# KiCad board SALU.kicad_pcb
title: Single Operand ALU; rev: 1
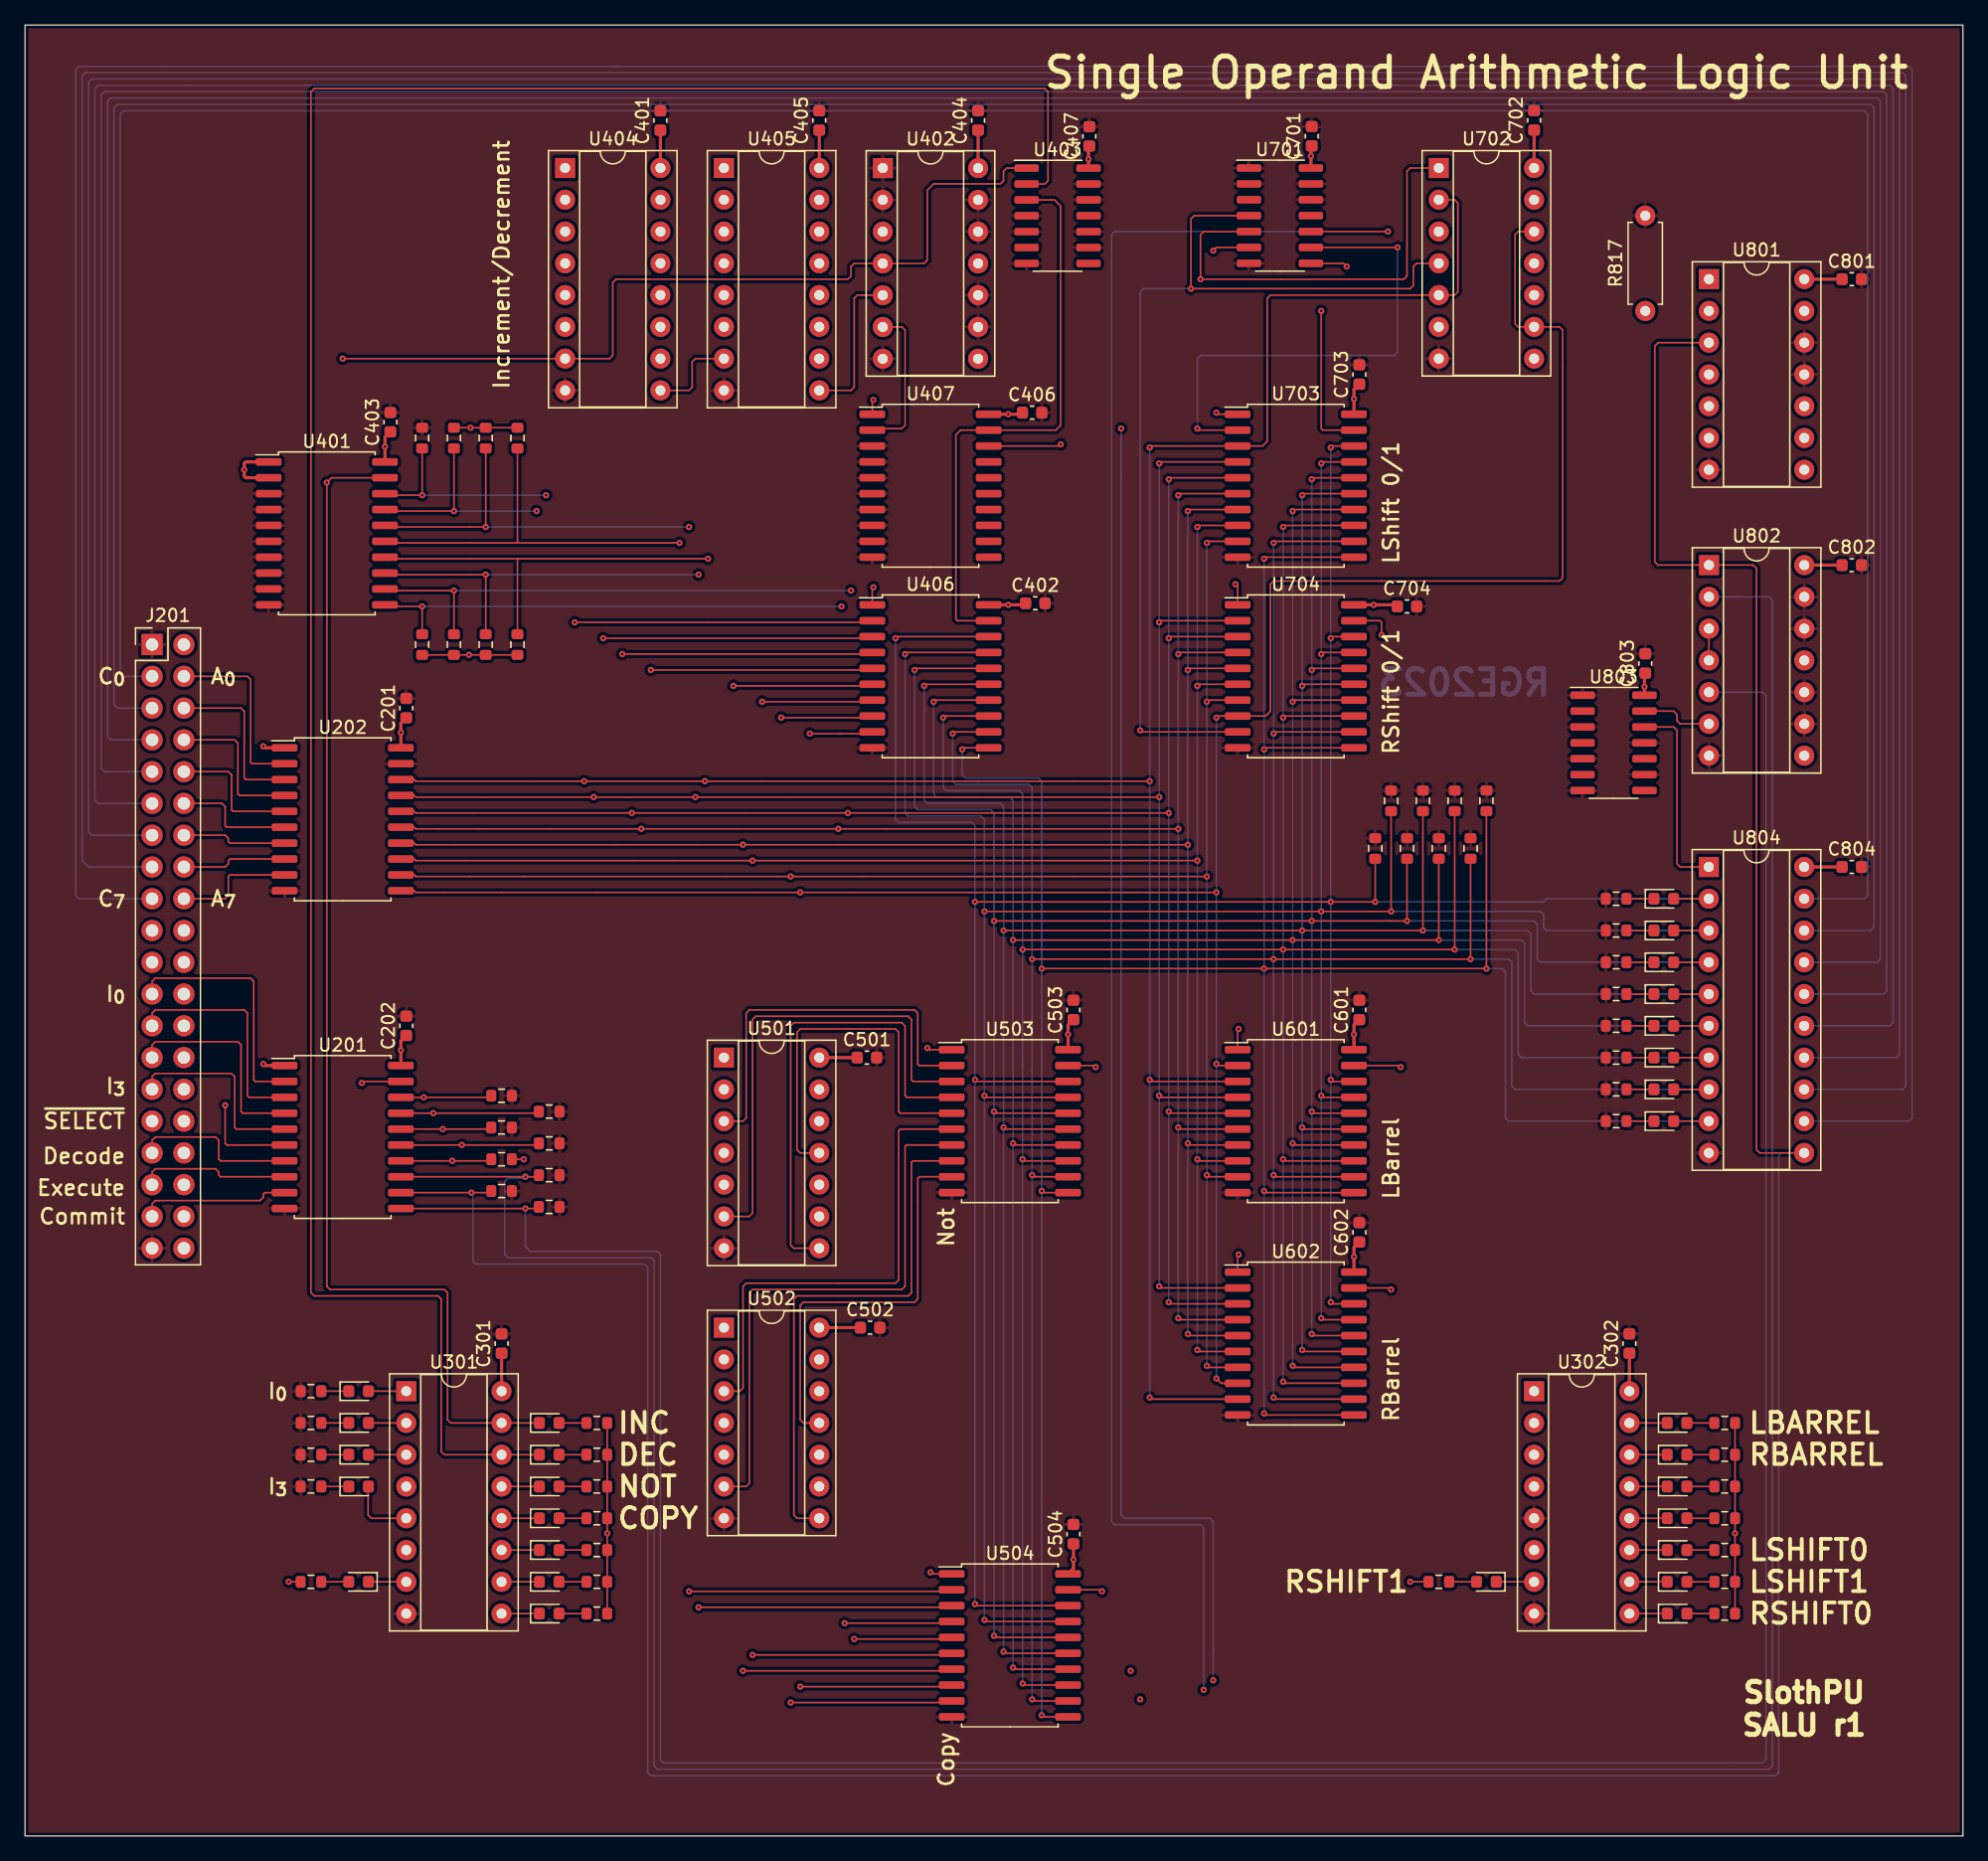
[diagram p0: board, top side]
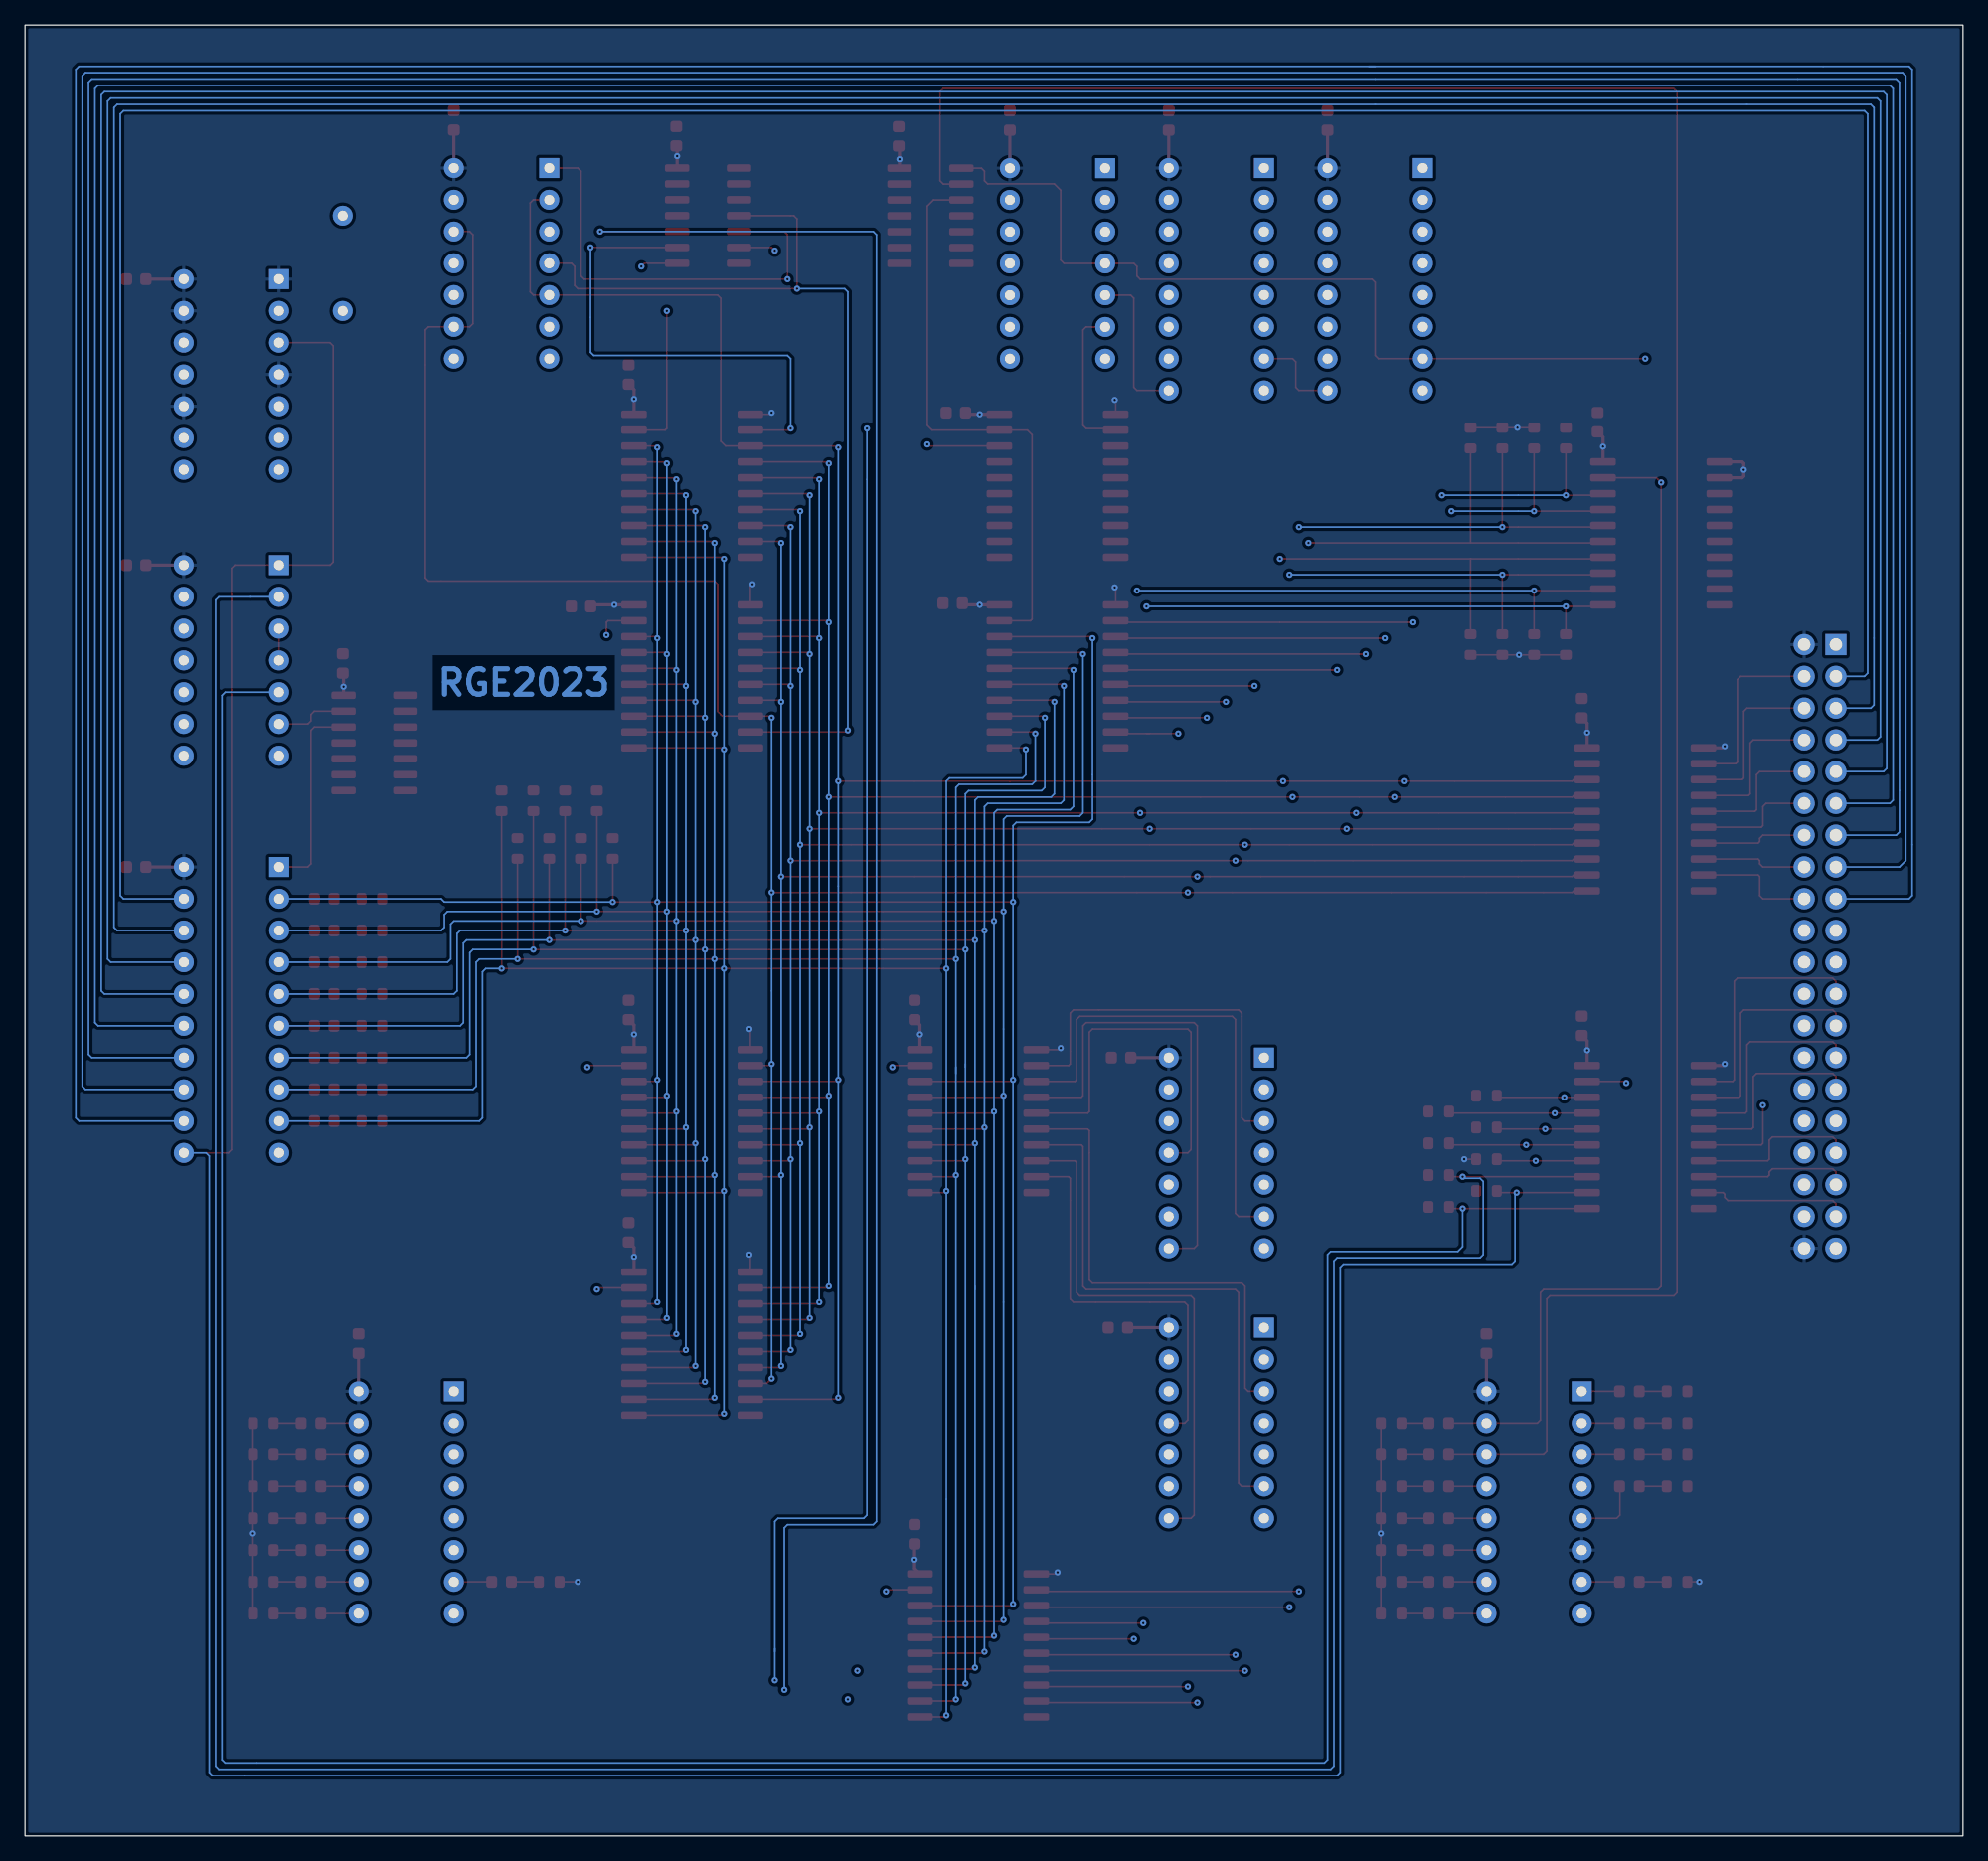
[diagram p1: board, bottom side, seen from below]

Outline 154.94 x 144.78 mm; copper layers: Top, In1.Cu, In2.Cu, Bottom. Coordinates in mm from the lower left corner of the outline.
Outline path: rectangle 0,144.78 154.94,0
Stack: Top 0.035mm / dielectric 1.51mm FR4 er 4.5 / In1.Cu 0.035mm / dielectric 1.51mm FR4 er 4.5 / In2.Cu 0.035mm / dielectric 1.51mm FR4 er 4.5 / Bottom 0.035mm

## Placement (name value [footprint] x y rotation side)
C201  100n  [C_0603_1608Metric]  30.48 90.17 90 top
C202  100n  [C_0603_1608Metric]  30.48 64.77 90 top
C301  100n  [C_0603_1608Metric]  38.1 39.37 90 top
C302  100n  [C_0603_1608Metric]  128.27 39.37 90 top
C401  100n  [C_0603_1608Metric]  50.8 137.15 90 top
C402  100n  [C_0603_1608Metric]  80.77 98.55 0 top
C403  100n  [C_0603_1608Metric]  29.21 113.03 90 top
C404  100n  [C_0603_1608Metric]  76.2 137.15 90 top
C405  100n  [C_0603_1608Metric]  63.5 137.15 90 top
C406  100n  [C_0603_1608Metric]  80.52 113.79 0 top
C407  100n  [C_0603_1608Metric]  85.09 135.88 90 top
C501  100n  [C_0603_1608Metric]  67.31 62.23 0 top
C502  100n  [C_0603_1608Metric]  67.56 40.64 0 top
C503  100n  [C_0603_1608Metric]  83.82 66.04 90 top
C504  100n  [C_0603_1608Metric]  83.82 24.13 90 top
C601  100n  [C_0603_1608Metric]  106.68 66.04 90 top
C602  100n  [C_0603_1608Metric]  106.68 48.26 90 top
C701  100n  [C_0603_1608Metric]  102.87 135.89 90 top
C702  100n  [C_0603_1608Metric]  120.65 137.16 90 top
C703  100n  [C_0603_1608Metric]  106.68 116.84 90 top
C704  100n  [C_0603_1608Metric]  110.49 98.3 0 top
C801  100n  [C_0603_1608Metric]  146.05 124.46 0 top
C802  100n  [C_0603_1608Metric]  146.05 101.6 0 top
C803  100n  [C_0603_1608Metric]  129.54 93.74 90 top
C804  100n  [C_0603_1608Metric]  146.05 77.47 0 top
D301  GREEN  [LED_0603_1608Metric]  26.67 27.94 0 top
D302  GREEN  [LED_0603_1608Metric]  26.67 30.48 0 top
D303  GREEN  [LED_0603_1608Metric]  26.67 33.02 0 top
D304  GREEN  [LED_0603_1608Metric]  26.67 35.56 0 top
D305  RED  [LED_0603_1608Metric]  41.91 17.78 0 top
D306  RED  [LED_0603_1608Metric]  26.67 20.32 180 top
D307  RED  [LED_0603_1608Metric]  41.91 22.86 0 top
D308  RED  [LED_0603_1608Metric]  41.91 20.32 0 top
D309  GREEN  [LED_0603_1608Metric]  41.91 33.02 0 top
D310  GREEN  [LED_0603_1608Metric]  41.91 30.48 0 top
D311  GREEN  [LED_0603_1608Metric]  41.91 27.94 0 top
D312  GREEN  [LED_0603_1608Metric]  41.91 25.4 0 top
D313  GREEN  [LED_0603_1608Metric]  132.08 17.78 0 top
D314  GREEN  [LED_0603_1608Metric]  116.84 20.32 180 top
D315  GREEN  [LED_0603_1608Metric]  132.08 33.02 0 top
D316  GREEN  [LED_0603_1608Metric]  132.08 30.48 0 top
D317  RED  [LED_0603_1608Metric]  132.08 27.94 0 top
D318  RED  [LED_0603_1608Metric]  132.08 25.4 0 top
D319  GREEN  [LED_0603_1608Metric]  132.08 22.86 0 top
D320  GREEN  [LED_0603_1608Metric]  132.08 20.32 0 top
D801  GREEN  [LED_0603_1608Metric]  131.02 74.93 0 top
D802  GREEN  [LED_0603_1608Metric]  131.02 72.39 0 top
D803  GREEN  [LED_0603_1608Metric]  131.02 69.85 0 top
D804  GREEN  [LED_0603_1608Metric]  131.02 67.31 0 top
D805  GREEN  [LED_0603_1608Metric]  131.02 64.77 0 top
D806  GREEN  [LED_0603_1608Metric]  131.02 62.23 0 top
D807  GREEN  [LED_0603_1608Metric]  131.02 59.69 0 top
D808  GREEN  [LED_0603_1608Metric]  131.02 57.15 0 top
J201  Conn_02x20_Odd_Even  [PinHeader_2x20_P2.54mm_Vertical]  10.16 95.25 0 top
R201  220k  [R_0603_1608Metric]  38.1 59.18 0 top
R202  220k  [R_0603_1608Metric]  41.91 57.91 0 top
R203  220k  [R_0603_1608Metric]  38.1 56.64 0 top
R204  220k  [R_0603_1608Metric]  41.91 55.37 0 top
R205  220k  [R_0603_1608Metric]  38.1 54.1 0 top
R206  220k  [R_0603_1608Metric]  41.91 52.83 0 top
R207  220k  [R_0603_1608Metric]  38.1 51.56 0 top
R208  220k  [R_0603_1608Metric]  41.91 50.29 0 top
R301  4k7  [R_0603_1608Metric]  22.86 27.94 0 top
R302  4k7  [R_0603_1608Metric]  22.86 30.48 0 top
R303  4k7  [R_0603_1608Metric]  22.86 33.02 0 top
R304  4k7  [R_0603_1608Metric]  22.86 35.56 0 top
R305  4k7  [R_0603_1608Metric]  45.72 17.78 0 top
R306  4k7  [R_0603_1608Metric]  22.86 20.32 180 top
R307  4k7  [R_0603_1608Metric]  45.72 33.02 0 top
R308  4k7  [R_0603_1608Metric]  45.72 30.48 0 top
R309  4k7  [R_0603_1608Metric]  45.72 27.94 0 top
R310  4k7  [R_0603_1608Metric]  45.72 25.4 0 top
R311  4k7  [R_0603_1608Metric]  45.72 22.86 0 top
R312  4k7  [R_0603_1608Metric]  45.72 20.32 0 top
R313  4k7  [R_0603_1608Metric]  135.89 17.78 0 top
R314  4k7  [R_0603_1608Metric]  113.03 20.32 180 top
R315  4k7  [R_0603_1608Metric]  135.89 33.02 0 top
R316  4k7  [R_0603_1608Metric]  135.89 30.48 0 top
R317  4k7  [R_0603_1608Metric]  135.89 22.86 0 top
R318  4k7  [R_0603_1608Metric]  135.89 20.32 0 top
R319  4k7  [R_0603_1608Metric]  135.89 27.94 0 top
R320  4k7  [R_0603_1608Metric]  135.89 25.4 0 top
R401  220k  [R_0603_1608Metric]  31.75 111.76 270 top
R402  220k  [R_0603_1608Metric]  34.29 111.76 270 top
R403  220k  [R_0603_1608Metric]  36.83 111.76 270 top
R404  220k  [R_0603_1608Metric]  39.37 111.76 270 top
R405  220k  [R_0603_1608Metric]  39.37 95.25 90 top
R406  220k  [R_0603_1608Metric]  36.83 95.25 90 top
R407  220k  [R_0603_1608Metric]  34.29 95.25 90 top
R408  220k  [R_0603_1608Metric]  31.75 95.25 90 top
R801  220k  [R_0603_1608Metric]  107.95 78.95 270 top
R802  220k  [R_0603_1608Metric]  109.22 82.76 270 top
R803  220k  [R_0603_1608Metric]  110.49 78.95 270 top
R804  220k  [R_0603_1608Metric]  111.76 82.76 270 top
R805  220k  [R_0603_1608Metric]  113.03 78.95 270 top
R806  220k  [R_0603_1608Metric]  114.3 82.76 270 top
R807  220k  [R_0603_1608Metric]  115.57 78.95 270 top
R808  220k  [R_0603_1608Metric]  116.84 82.76 270 top
R809  4k7  [R_0603_1608Metric]  127.21 74.93 0 top
R810  4k7  [R_0603_1608Metric]  127.21 72.39 0 top
R811  4k7  [R_0603_1608Metric]  127.21 69.85 0 top
R812  4k7  [R_0603_1608Metric]  127.21 67.31 0 top
R813  4k7  [R_0603_1608Metric]  127.21 64.77 0 top
R814  4k7  [R_0603_1608Metric]  127.21 62.23 0 top
R815  4k7  [R_0603_1608Metric]  127.21 59.69 0 top
R816  4k7  [R_0603_1608Metric]  127.21 57.15 0 top
R817  10k  [R_Axial_DIN0207_L6.3mm_D2.5mm_P7.62mm_Horizontal]  129.54 121.92 90 top
U201  74HC245  [SOIC-20W_7.5x12.8mm_P1.27mm]  25.4 55.88 0 top
U202  74HC245  [SOIC-20W_7.5x12.8mm_P1.27mm]  25.4 81.28 0 top
U301  74HC138  [DIP-16_W7.62mm_Socket]  30.48 35.56 0 top
U302  74HC138  [DIP-16_W7.62mm_Socket]  120.65 35.56 0 top
U401  74HC245  [SOIC-20W_7.5x12.8mm_P1.27mm]  24.13 104.14 0 top
U402  74HC86  [DIP-14_W7.62mm_Socket]  68.58 133.34 0 top
U403  74HC08  [SOIC-14_3.9x8.7mm_P1.27mm]  82.55 129.53 0 top
U404  74HC283  [DIP-16_W7.62mm_Socket]  43.18 133.35 0 top
U405  74HC283  [DIP-16_W7.62mm_Socket]  55.88 133.35 0 top
U406  74HC245  [SOIC-20W_7.5x12.8mm_P1.27mm]  72.39 92.71 0 top
U407  74HC245  [SOIC-20W_7.5x12.8mm_P1.27mm]  72.39 107.95 0 top
U501  74HC00  [DIP-14_W7.62mm_Socket]  55.88 62.23 0 top
U502  74HC00  [DIP-14_W7.62mm_Socket]  55.88 40.64 0 top
U503  74HC245  [SOIC-20W_7.5x12.8mm_P1.27mm]  78.74 57.15 0 top
U504  74HC245  [SOIC-20W_7.5x12.8mm_P1.27mm]  78.74 15.24 0 top
U601  74HC245  [SOIC-20W_7.5x12.8mm_P1.27mm]  101.6 57.15 0 top
U602  74HC245  [SOIC-20W_7.5x12.8mm_P1.27mm]  101.6 39.37 0 top
U701  74HC08  [SOIC-14_3.9x8.7mm_P1.27mm]  100.33 129.54 0 top
U702  74HCT125  [DIP-14_W7.62mm_Socket]  113.03 133.35 0 top
U703  74HC245  [SOIC-20W_7.5x12.8mm_P1.27mm]  101.6 107.95 0 top
U704  74HC245  [SOIC-20W_7.5x12.8mm_P1.27mm]  101.6 92.71 0 top
U801  74HC74  [DIP-14_W7.62mm_Socket]  134.63 124.47 0 top
U802  74HC32  [DIP-14_W7.62mm_Socket]  134.63 101.61 0 top
U803  74HC14  [SOIC-14_3.9x8.7mm_P1.27mm]  127 87.39 0 top
U804  74HCT574  [DIP-20_W7.62mm_Socket]  134.62 77.47 0 top

## Library data of the parts
C201 C202 C301 C302 C401-C407 C501-C504 C601 C602 C701-C704 C801-C804 = -: LCSC: C14663
D301-D304 D309-D316 D319 D320 D801-D808 = -: LCSC: C72043
D305-D308 D317 D318 = -: LCSC: C2286
R201-R208 R401-R408 R801-R808 = -: LCSC: C22961
R301-R320 R809-R816 = -: LCSC: C23162
U201 U202 U401 U406 U407 U503 U504 U601 U602 U703 U704 = -: LCSC: C5625
U403 U701 = -: LCSC: C5593

## Footprints (pads in the part's own frame, mm; a bottom-side part is the same pattern mirrored in y, then rotated)
C_0603_1608Metric
  rrect 0.9x0.95 smd: 1(-0.775,0) 2(0.775,0)
DIP-14_W7.62mm_Socket
  rect 1.6x1.6 hole 0.8: 1(0,0)
  oval 1.6x1.6 hole 0.8: 2(0,-2.54) 3(0,-5.08) 4(0,-7.62) 5(0,-10.16) 6(0,-12.7) 7(0,-15.24) 8(7.62,-15.24) 9(7.62,-12.7) 10(7.62,-10.16) 11(7.62,-7.62) 12(7.62,-5.08) 13(7.62,-2.54) 14(7.62,0)
DIP-16_W7.62mm_Socket
  rect 1.6x1.6 hole 0.8: 1(0,0)
  oval 1.6x1.6 hole 0.8: 2(0,-2.54) 3(0,-5.08) 4(0,-7.62) 5(0,-10.16) 6(0,-12.7) 7(0,-15.24) 8(0,-17.78) 9(7.62,-17.78) 10(7.62,-15.24) 11(7.62,-12.7) 12(7.62,-10.16) 13(7.62,-7.62) 14(7.62,-5.08) 15(7.62,-2.54) 16(7.62,0)
DIP-20_W7.62mm_Socket
  rect 1.6x1.6 hole 0.8: 1(0,0)
  oval 1.6x1.6 hole 0.8: 2(0,-2.54) 3(0,-5.08) 4(0,-7.62) 5(0,-10.16) 6(0,-12.7) 7(0,-15.24) 8(0,-17.78) 9(0,-20.32) 10(0,-22.86) 11(7.62,-22.86) 12(7.62,-20.32) 13(7.62,-17.78) 14(7.62,-15.24) 15(7.62,-12.7) 16(7.62,-10.16) 17(7.62,-7.62) 18(7.62,-5.08) 19(7.62,-2.54) 20(7.62,0)
LED_0603_1608Metric
  rrect 0.875x0.95 smd: 1(-0.787,0) 2(0.787,0)
PinHeader_2x20_P2.54mm_Vertical
  rect 1.7x1.7 hole 1: 1(0,0)
  oval 1.7x1.7 hole 1: 2(2.54,0) 3(0,-2.54) 4(2.54,-2.54) 5(0,-5.08) 6(2.54,-5.08) 7(0,-7.62) 8(2.54,-7.62) 9(0,-10.16) 10(2.54,-10.16) 11(0,-12.7) 12(2.54,-12.7) 13(0,-15.24) 14(2.54,-15.24) 15(0,-17.78) 16(2.54,-17.78) 17(0,-20.32) 18(2.54,-20.32) 19(0,-22.86) 20(2.54,-22.86) 21(0,-25.4) 22(2.54,-25.4) 23(0,-27.94) 24(2.54,-27.94) 25(0,-30.48) 26(2.54,-30.48) 27(0,-33.02) 28(2.54,-33.02) 29(0,-35.56) 30(2.54,-35.56) 31(0,-38.1) 32(2.54,-38.1) 33(0,-40.64) 34(2.54,-40.64) 35(0,-43.18) 36(2.54,-43.18) 37(0,-45.72) 38(2.54,-45.72) 39(0,-48.26) 40(2.54,-48.26)
R_0603_1608Metric
  rrect 0.8x0.95 smd: 1(-0.825,0) 2(0.825,0)
R_Axial_DIN0207_L6.3mm_D2.5mm_P7.62mm_Horizontal
  round 1.6 hole 0.8: 1(0,0)
  oval 1.6x1.6 hole 0.8: 2(7.62,0)
SOIC-14_3.9x8.7mm_P1.27mm
  rrect 1.95x0.6 smd: 1(-2.475,3.81) 2(-2.475,2.54) 3(-2.475,1.27) 4(-2.475,0) 5(-2.475,-1.27) 6(-2.475,-2.54) 7(-2.475,-3.81) 8(2.475,-3.81) 9(2.475,-2.54) 10(2.475,-1.27) 11(2.475,0) 12(2.475,1.27) 13(2.475,2.54) 14(2.475,3.81)
SOIC-20W_7.5x12.8mm_P1.27mm
  rrect 2.05x0.6 smd: 1(-4.65,5.715) 2(-4.65,4.445) 3(-4.65,3.175) 4(-4.65,1.905) 5(-4.65,0.635) 6(-4.65,-0.635) 7(-4.65,-1.905) 8(-4.65,-3.175) 9(-4.65,-4.445) 10(-4.65,-5.715) 11(4.65,-5.715) 12(4.65,-4.445) 13(4.65,-3.175) 14(4.65,-1.905) 15(4.65,-0.635) 16(4.65,0.635) 17(4.65,1.905) 18(4.65,3.175) 19(4.65,4.445) 20(4.65,5.715)

## Nets
+5V: C201.1 C202.1 C301.1 C302.1 C401.1 C402.1 C403.1 C404.1 C405.1 C406.1 C407.1 C501.1 C502.1 C503.1 C504.1 C601.1 C602.1 C701.1 C702.1 C703.1 C704.1 C801.1 C802.1 C803.1 C804.1 J201.2 J201.40 R205.2 R305.2 R306.2 R307.2 R308.2 R309.2 R310.2 R311.2 R312.2 R313.2 R314.2 R315.2 R316.2 R317.2 R318.2 R319.2 R320.2 R402.1 R403.1 R404.1 R405.1 R406.1 R407.1 R408.1 U201.1 U201.20 U202.1 U202.20 U301.6 U301.16 U302.16 U401.1 U401.2 U401.20 U402.14 U403.14 U404.16 U405.16 U406.1 U406.20 U407.1 U407.20 U501.14 U502.14 U503.1 U503.20 U504.1 U504.20 U601.1 U601.20 U602.1 U602.20 U701.14 U702.14 U703.1 U703.20 U704.1 U704.20 U801.1 U801.4 U801.10 U801.13 U801.14 U802.14 U803.14 U804.20
GND: C201.2 C202.2 C301.2 C302.2 C401.2 C402.2 C403.2 C404.2 C405.2 C406.2 C407.2 C501.2 C502.2 C503.2 C504.2 C601.2 C602.2 C701.2 C702.2 C703.2 C704.2 C801.2 C802.2 C803.2 C804.2 J201.1 J201.39 R201.2 R202.2 R203.2 R204.2 R206.2 R207.2 R208.2 R301.1 R302.1 R303.1 R304.1 R401.1 R801.1 R802.1 R803.1 R804.1 R805.1 R806.1 R807.1 R808.1 R809.1 R810.1 R811.1 R812.1 R813.1 R814.1 R815.1 R816.1 R817.2 U201.10 U202.10 U202.19 U301.8 U302.5 U302.8 U401.3 U401.4 U401.5 U401.6 U401.7 U401.8 U401.9 U401.10 U402.1 U402.2 U402.7 U402.9 U402.10 U402.12 U402.13 U403.4 U403.5 U403.7 U403.9 U403.10 U403.12 U403.13 U404.8 U405.8 U406.10 U407.3 U407.4 U407.5 U407.6 U407.7 U407.8 U407.9 U407.10 U501.7 U502.7 U503.10 U504.10 U601.10 U602.10 U701.1 U701.2 U701.7 U701.12 U701.13 U702.7 U703.10 U704.10 U801.7 U801.11 U801.12 U802.7 U802.9 U802.10 U802.12 U802.13 U803.1 U803.3 U803.5 U803.7 U803.9 U803.11 U804.10
/Barrel Shifters/A0: U202.18 U404.5 U501.1 U501.2 U504.2 U601.3 U602.9 U702.2 U702.5 U703.3
/Barrel Shifters/A1: U202.17 U404.3 U501.4 U501.5 U504.3 U601.4 U602.2 U703.4 U704.2
/Barrel Shifters/A2: U202.16 U404.14 U501.9 U501.10 U504.4 U601.5 U602.3 U703.5 U704.3
/Barrel Shifters/A3: U202.15 U404.12 U501.12 U501.13 U504.5 U601.6 U602.4 U703.6 U704.4
/Barrel Shifters/A4: U202.14 U405.5 U502.1 U502.2 U504.6 U601.7 U602.5 U703.7 U704.5
/Barrel Shifters/A5: U202.13 U405.3 U502.4 U502.5 U504.7 U601.8 U602.6 U703.8 U704.6
/Barrel Shifters/A6: U202.12 U405.14 U502.9 U502.10 U504.8 U601.9 U602.7 U703.9 U704.7
/Barrel Shifters/A7: U202.11 U405.12 U502.12 U502.13 U504.9 U601.2 U602.8 U702.9 U702.12 U704.8
/Barrel Shifters/RESULT0: D801.2 R801.2 U406.18 U503.18 U504.18 U601.18 U602.18 U703.18 U704.18 U804.2
/Barrel Shifters/RESULT1: D802.2 R802.2 U406.17 U503.17 U504.17 U601.17 U602.17 U703.17 U704.17 U804.3
/Barrel Shifters/RESULT2: D803.2 R803.2 U406.16 U503.16 U504.16 U601.16 U602.16 U703.16 U704.16 U804.4
/Barrel Shifters/RESULT3: D804.2 R804.2 U406.15 U503.15 U504.15 U601.15 U602.15 U703.15 U704.15 U804.5
/Barrel Shifters/RESULT4: D805.2 R805.2 U406.14 U503.14 U504.14 U601.14 U602.14 U703.14 U704.14 U804.6
/Barrel Shifters/RESULT5: D806.2 R806.2 U406.13 U503.13 U504.13 U601.13 U602.13 U703.13 U704.13 U804.7
/Barrel Shifters/RESULT6: D807.2 R807.2 U406.12 U503.12 U504.12 U601.12 U602.12 U703.12 U704.12 U804.8
/Barrel Shifters/RESULT7: D808.2 R808.2 U406.11 U503.11 U504.11 U601.11 U602.11 U703.11 U704.11 U804.9
/Connector/A^{raw}_{0}: J201.4 U202.2
/Connector/C0: J201.3 U804.19
/Connector/C1: J201.5 U804.18
/Connector/C2: J201.7 U804.17
/Connector/C3: J201.9 U804.16
/Connector/C4: J201.11 U804.15
/Connector/C5: J201.13 U804.14
/Connector/C6: J201.15 U804.13
/Connector/C7: J201.17 U804.12
/Connector/Commit_{raw}: J201.37 U201.9
/Connector/Control.Commit: R208.1 U201.11 U802.5
/Connector/Control.Decode: R206.1 U201.13 U802.2
/Connector/Control.Execute: R207.1 U201.12 U801.3 U802.1 U804.11
/Connector/Control.I0: D304.2 R201.1 U201.18 U301.1 U302.1
/Connector/Control.I1: D303.2 R202.1 U201.17 U301.2 U302.2
/Connector/Control.I2: D302.2 R203.1 U201.16 U301.3 U302.3
/Connector/Control.I3: D301.2 R204.1 U201.15 U301.5 U302.6
/Connector/Control.~{SELECT}: R205.1 U201.14 U301.4 U302.4
/Connector/Decode_{raw}: J201.33 U201.7
/Connector/Execute_{raw}: J201.35 U201.8
/Connector/I^{raw}_{0}: J201.23 U201.2
/Connector/I^{raw}_{1}: J201.25 U201.3
/Connector/I^{raw}_{2}: J201.27 U201.4
/Connector/I^{raw}_{3}: J201.29 U201.5
/Connector/SALUFLAG: J201.19 U801.5
/Connector/~{SELECT_{SALU}}: J201.31 U201.6 U201.19
/Incrementer-Decrementer/B0: R401.2 U401.18 U404.6
/Incrementer-Decrementer/B1: R402.2 U401.17 U404.2
/Incrementer-Decrementer/B2: R403.2 U401.16 U404.15
/Incrementer-Decrementer/B3: R404.2 U401.15 U404.11
/Incrementer-Decrementer/B4: R405.2 U401.14 U405.6
/Incrementer-Decrementer/B5: R406.2 U401.13 U405.2
/Incrementer-Decrementer/B6: R407.2 U401.12 U405.15
/Incrementer-Decrementer/B7: R408.2 U401.11 U405.11
/Incrementer-Decrementer/FLAG: R817.1 U407.18 U702.3 U702.6 U702.8 U702.11 U801.2
/Incrementer-Decrementer/S_{0}: U404.4 U406.2
/Incrementer-Decrementer/S_{1}: U404.1 U406.3
/Incrementer-Decrementer/S_{2}: U404.13 U406.4
/Incrementer-Decrementer/S_{3}: U404.10 U406.5
/Incrementer-Decrementer/S_{4}: U405.4 U406.6
/Incrementer-Decrementer/S_{5}: U405.1 U406.7
/Incrementer-Decrementer/S_{6}: U405.13 U406.8
/Incrementer-Decrementer/S_{7}: U405.10 U406.9
/Incrementer-Decrementer/~{OE}: U403.3 U406.19 U407.19
/Instruction Decoder/~{BAD_{0}}: D307.1 U301.11
/Instruction Decoder/~{BAD_{1}}: D308.1 U301.10
/Instruction Decoder/~{BAD_{2}}: D305.1 U301.9
/Instruction Decoder/~{BAD_{3}}: D306.1 U301.7
/Instruction Decoder/~{BAD_{4}}: D317.1 U302.13
/Instruction Decoder/~{BAD_{5}}: D318.1 U302.12
/Instruction Decoder/~{COPY}: D312.1 U301.12 U504.19
/Instruction Decoder/~{DEC}: D310.1 U301.14 U403.2
/Instruction Decoder/~{INC}: D309.1 U301.15 U401.19 U402.4 U403.1 U404.7
/Instruction Decoder/~{LBARREL}: D315.1 U302.15 U601.19
/Instruction Decoder/~{LSHIFT0}: D319.1 U302.11 U701.9 U702.10 U703.2
/Instruction Decoder/~{LSHIFT1}: D320.1 U302.10 U701.10 U702.13
/Instruction Decoder/~{NOT}: D311.1 U301.13 U503.19
/Instruction Decoder/~{RBARREL}: D316.1 U302.14 U602.19
/Instruction Decoder/~{RSHIFT0}: D313.1 U302.9 U701.4 U702.4 U704.9
/Instruction Decoder/~{RSHIFT1}: D314.1 U302.7 U701.5 U702.1
/Output Stage/~{OE}: U803.12 U804.1
Net-(D301-Pad1): D301.1 R301.2
Net-(D302-Pad1): D302.1 R302.2
Net-(D303-Pad1): D303.1 R303.2
Net-(D304-Pad1): D304.1 R304.2
Net-(D305-Pad2): D305.2 R305.1
Net-(D306-Pad2): D306.2 R306.1
Net-(D307-Pad2): D307.2 R311.1
Net-(D308-Pad2): D308.2 R312.1
Net-(D309-Pad2): D309.2 R307.1
Net-(D310-Pad2): D310.2 R308.1
Net-(D311-Pad2): D311.2 R309.1
Net-(D312-Pad2): D312.2 R310.1
Net-(D313-Pad2): D313.2 R313.1
Net-(D314-Pad2): D314.2 R314.1
Net-(D315-Pad2): D315.2 R315.1
Net-(D316-Pad2): D316.2 R316.1
Net-(D317-Pad2): D317.2 R319.1
Net-(D318-Pad2): D318.2 R320.1
Net-(D319-Pad2): D319.2 R317.1
Net-(D320-Pad2): D320.2 R318.1
Net-(D801-Pad1): D801.1 R809.2
Net-(D802-Pad1): D802.1 R810.2
Net-(D803-Pad1): D803.1 R811.2